# KiCad board helixloop.kicad_pcb
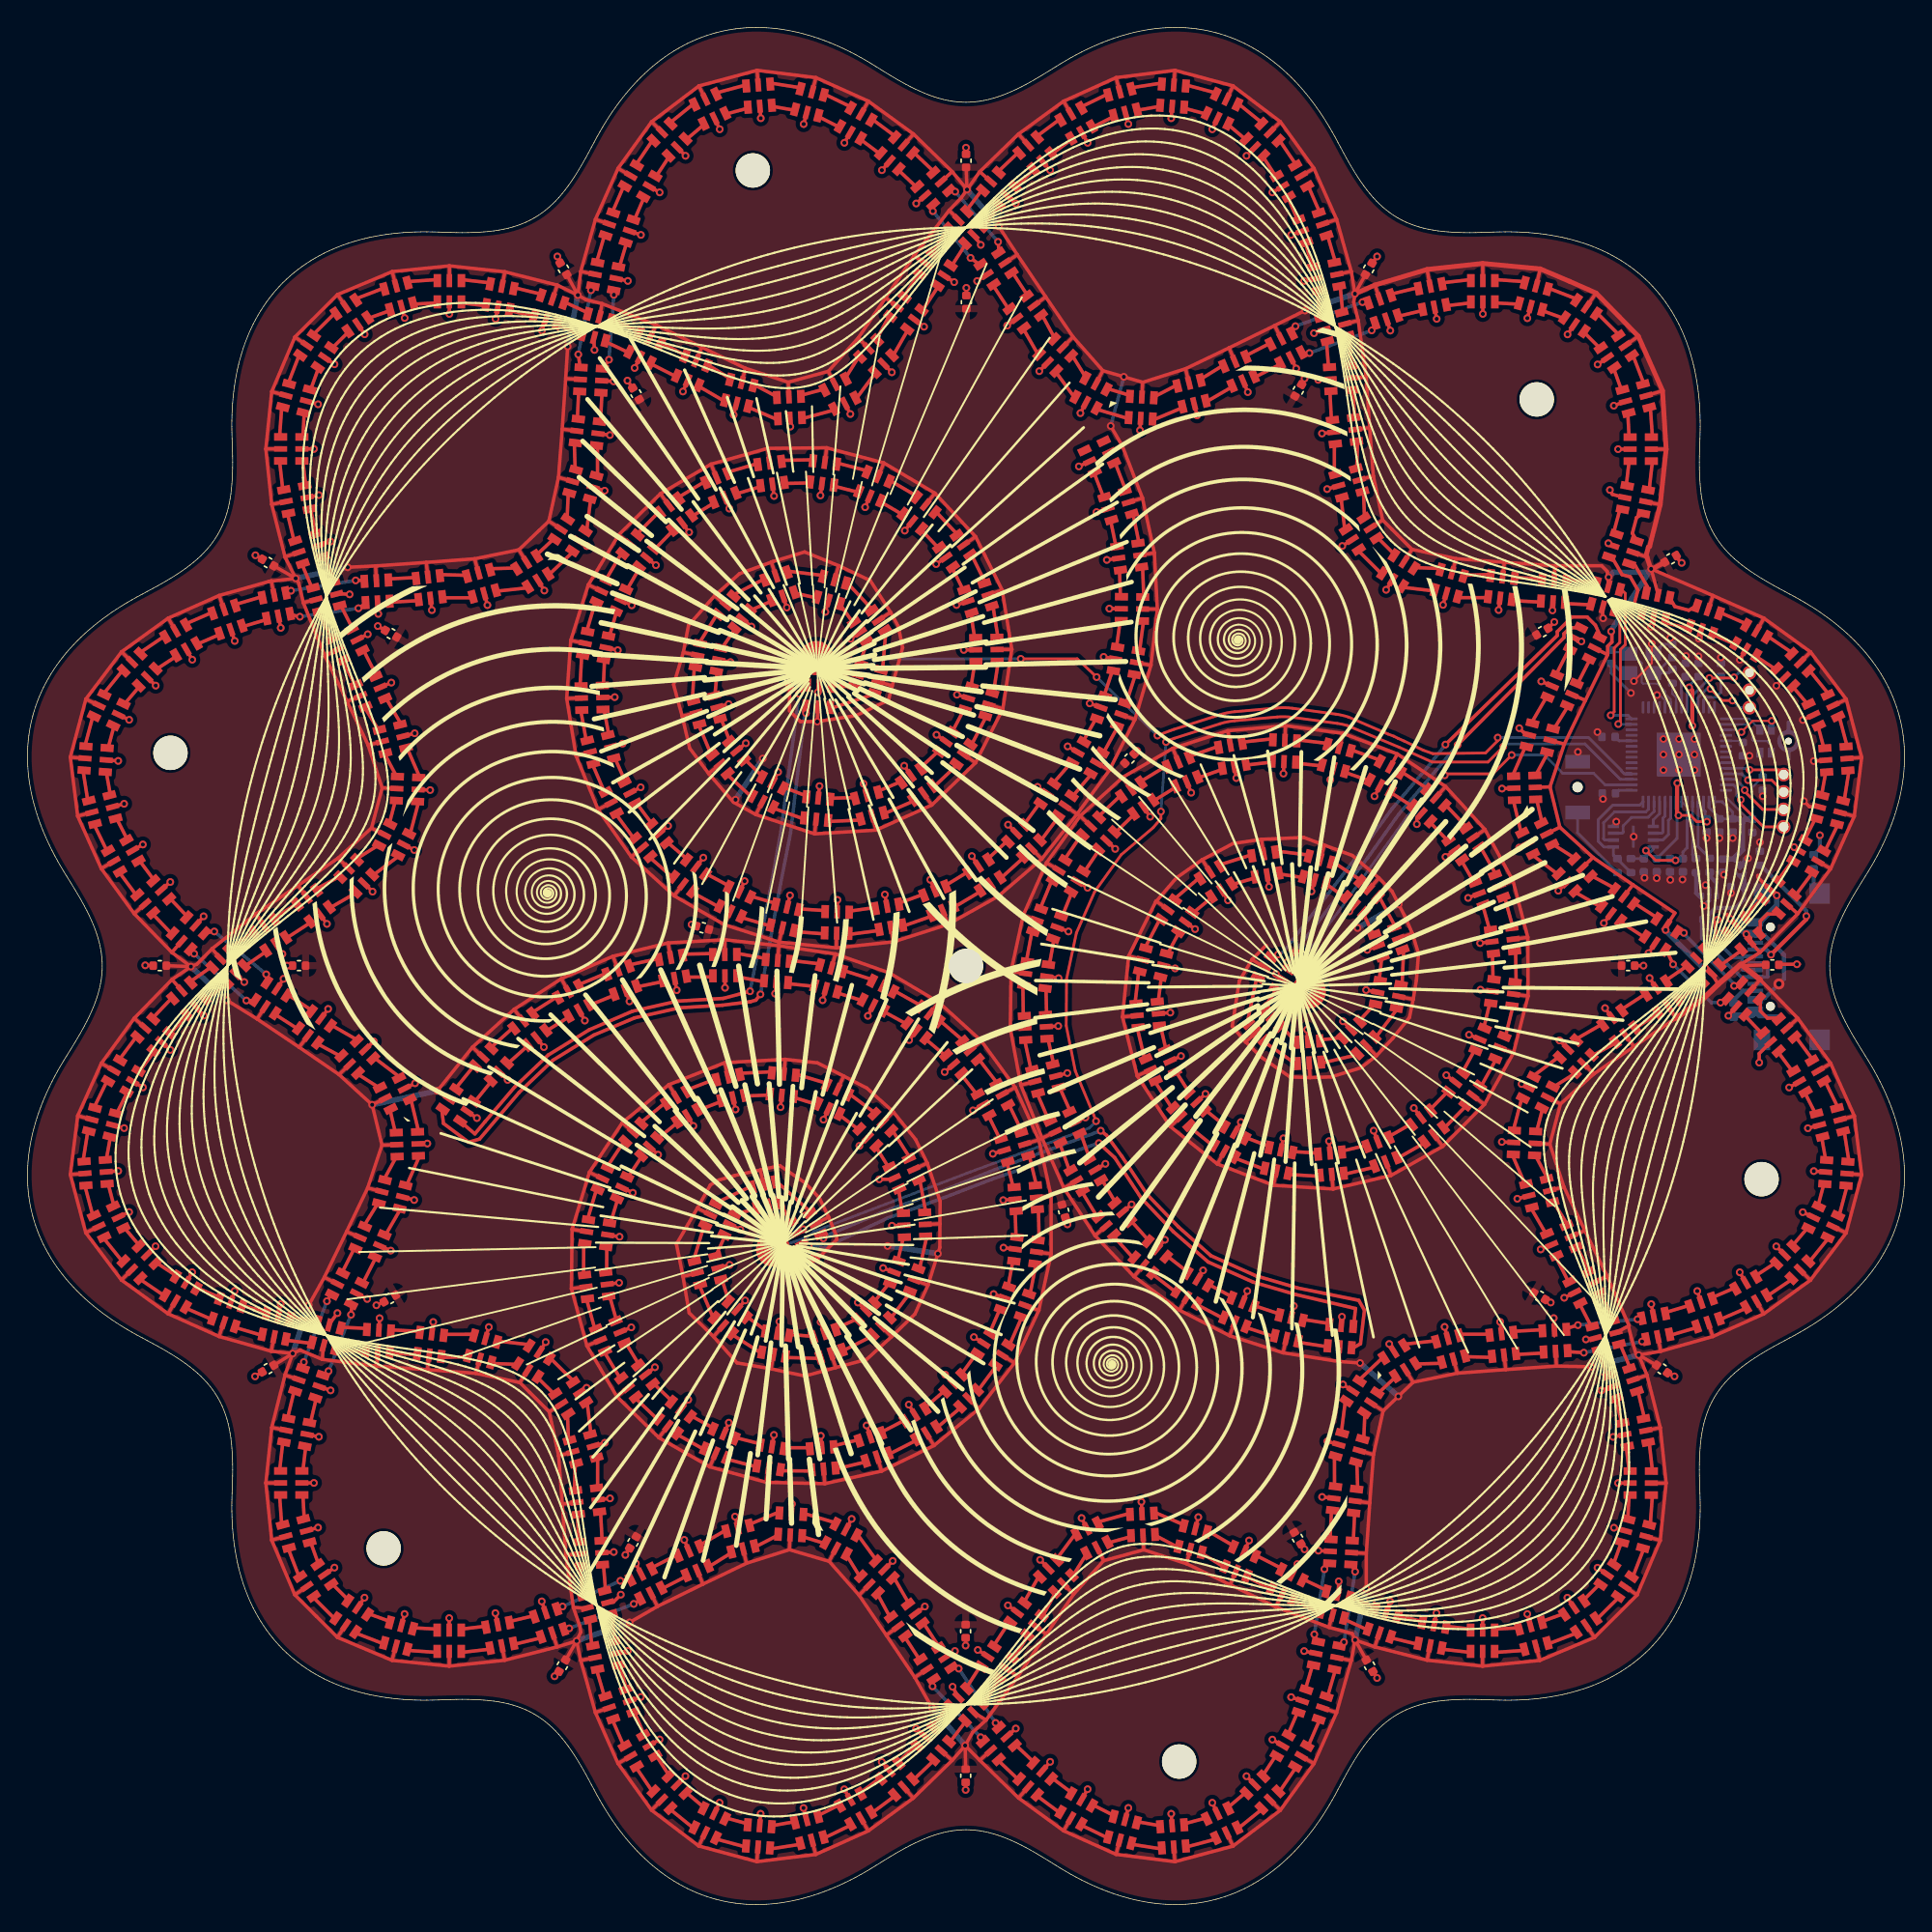
[diagram p0: board, top side]
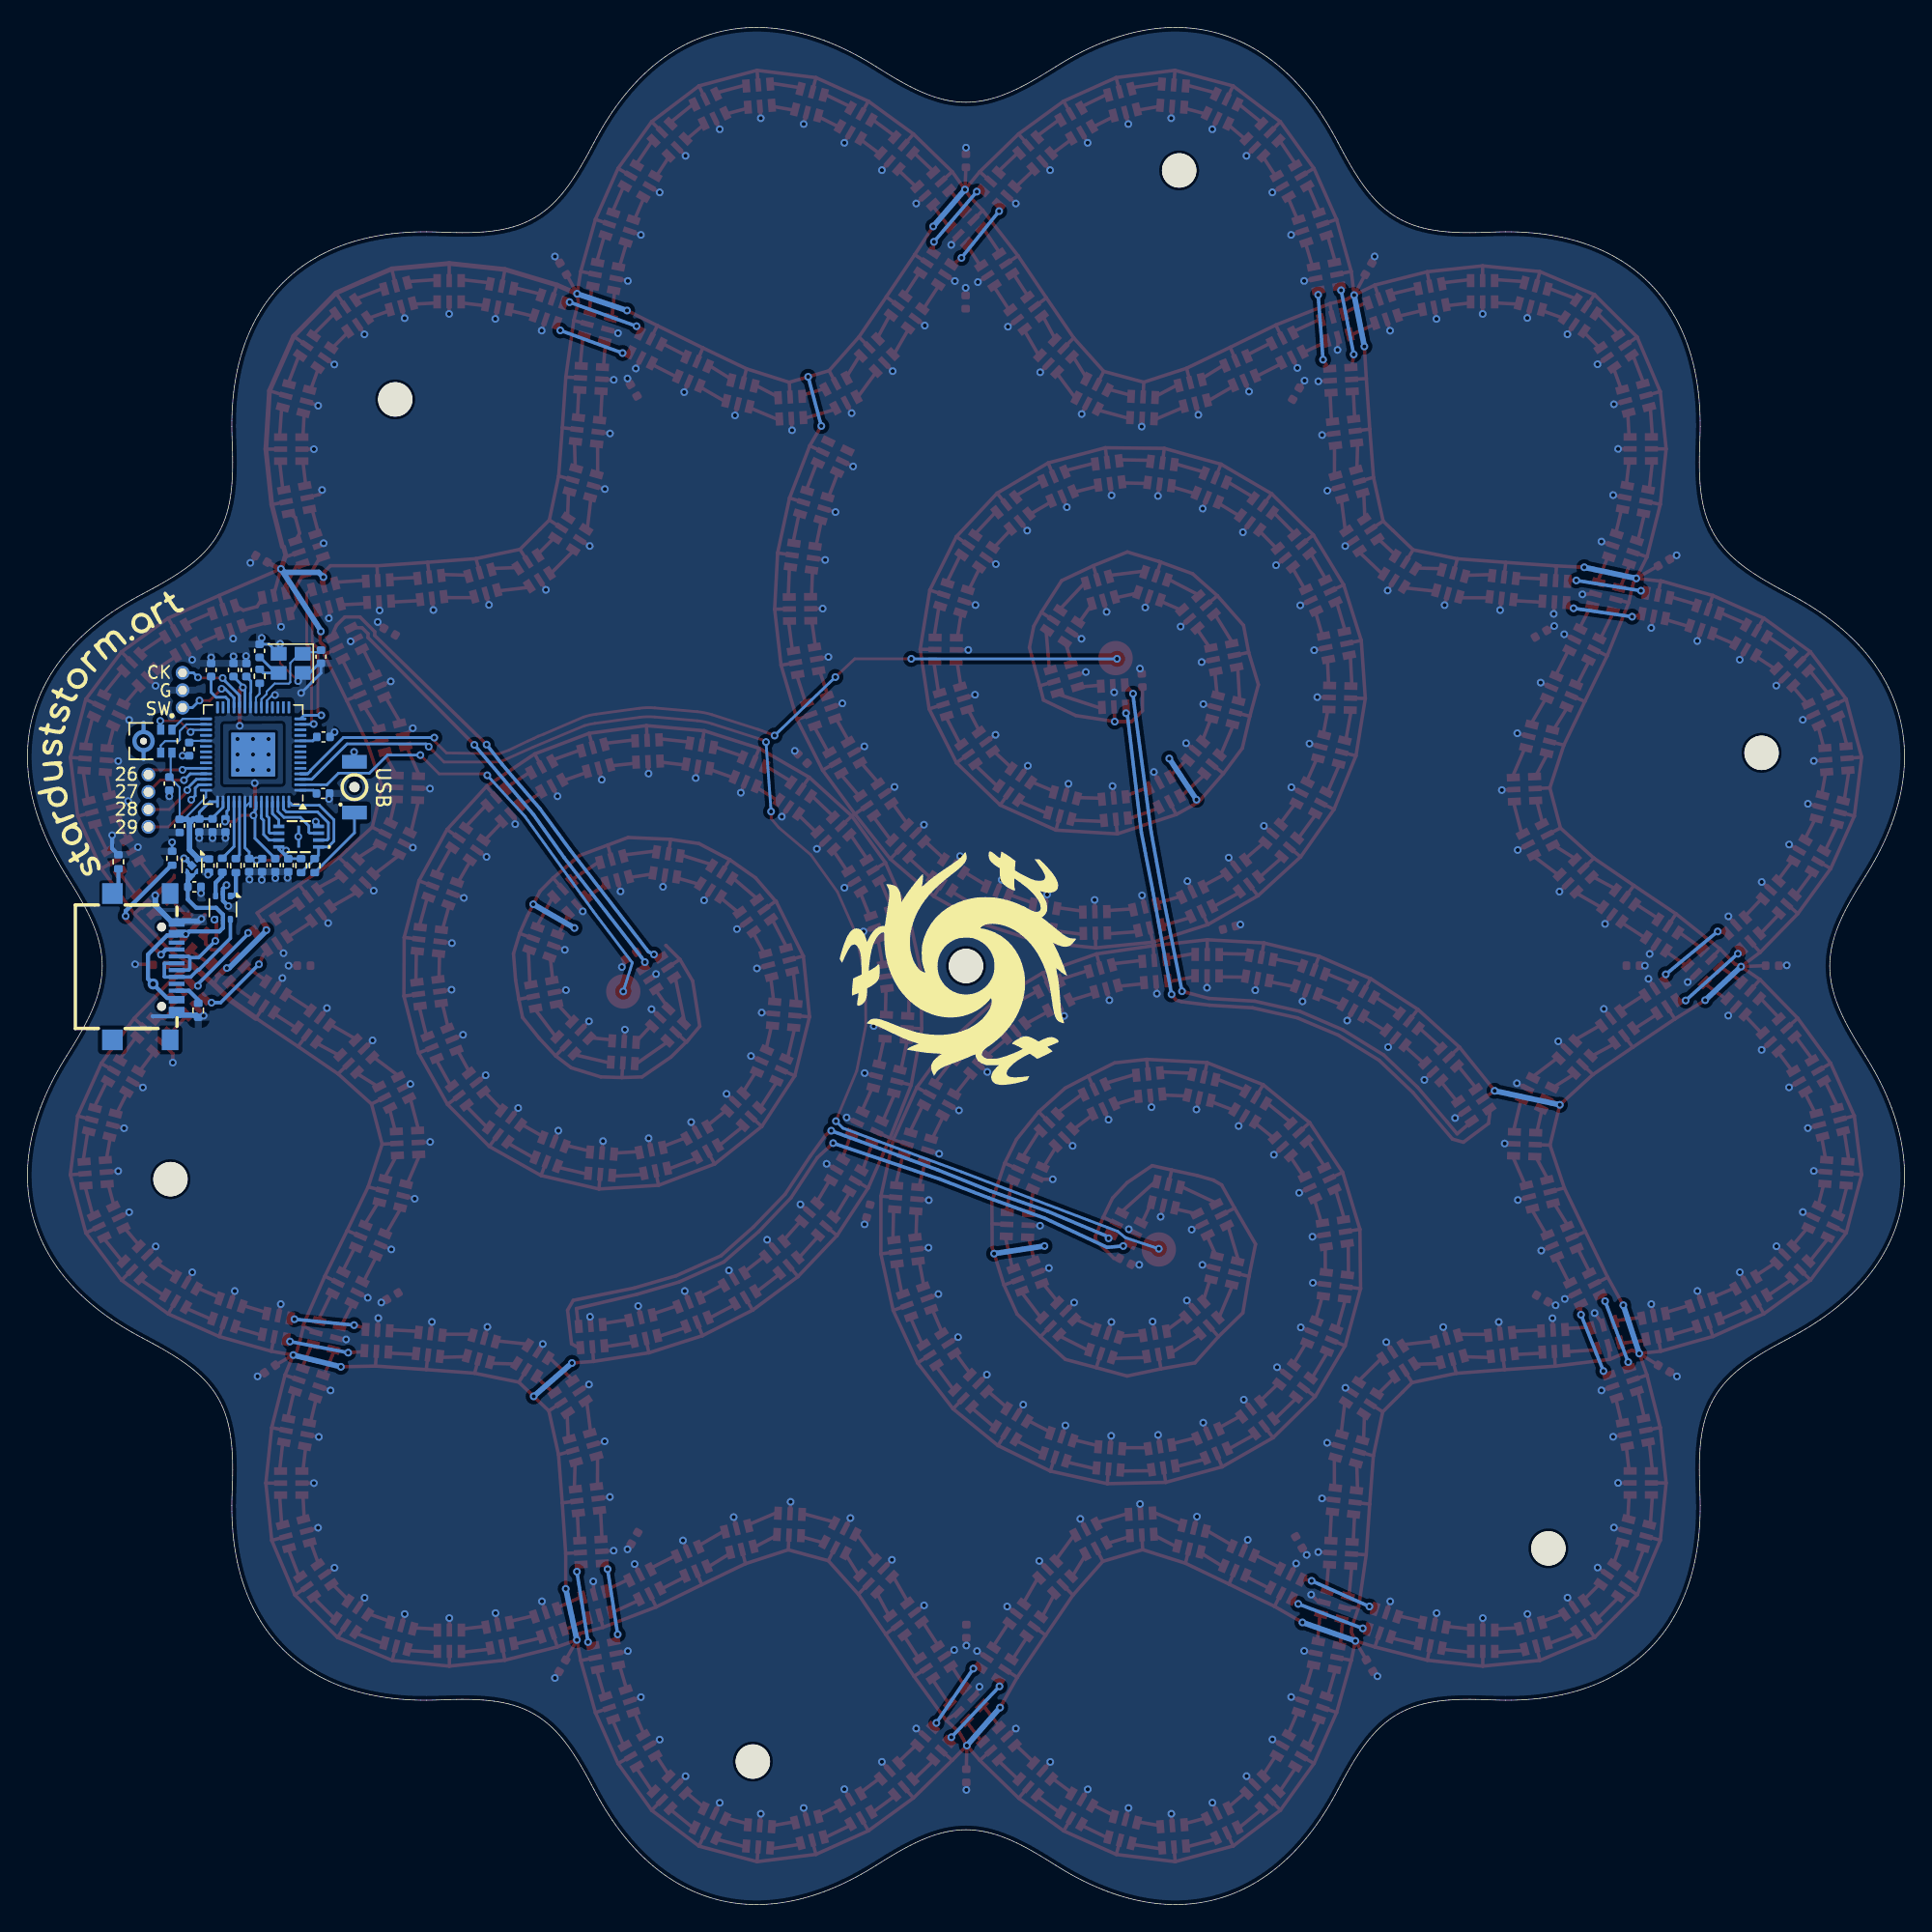
[diagram p1: board, bottom side, seen from below]

Outline 136.74 x 136.74 mm; copper layers: Top, Bottom. Coordinates in mm from the lower left corner of the outline.
Outline path: 0,83.66 0.01,83.28 0.02,82.9 0.05,82.52 0.09,82.14 0.14,81.76 0.2,81.38 0.28,80.99 0.36,80.61 0.46,80.23 0.57,79.84 0.68,79.46 0.81,79.07 0.95,78.69 1.1,78.31 1.26,77.92 1.43,77.54 1.6,77.16 1.79,76.78 1.99,76.41 2.19,76.03 2.41,75.66 2.63,75.28 2.86,74.91 3.09,74.54 3.31,74.18 3.53,73.82 3.75,73.46 3.95,73.1 4.14,72.75 4.32,72.4 4.5,72.06 4.65,71.71 4.8,71.37 4.93,71.03 5.05,70.69 5.16,70.36 5.24,70.03 5.32,69.69 5.37,69.36 5.42,69.03 5.44,68.7 5.45,68.37 5.44,68.04 5.42,67.71 5.37,67.38 5.32,67.05 5.24,66.72 5.16,66.39 5.05,66.05 4.93,65.71 4.8,65.37 4.65,65.03 4.5,64.69 4.32,64.34 4.14,63.99 3.95,63.64 3.75,63.29 3.53,62.93 3.31,62.57 3.09,62.2 2.86,61.83 2.63,61.46 2.41,61.09 2.19,60.72 1.99,60.34 1.79,59.96 1.6,59.58 1.43,59.2 1.26,58.82 1.1,58.44 0.95,58.06 0.81,57.67 0.68,57.29 0.57,56.9 0.46,56.52 0.36,56.14 0.28,55.75 0.2,55.37 0.14,54.99 0.09,54.6 0.05,54.22 0.02,53.84 0.01,53.47 0,53.09 0.01,52.71 0.03,52.34 0.06,51.97 0.1,51.6 0.15,51.24 0.22,50.87 0.3,50.51 0.38,50.16 0.49,49.8 0.6,49.45 0.72,49.1 0.86,48.76 1.01,48.42 1.17,48.08 1.34,47.75 1.52,47.42 1.71,47.1 1.91,46.78 2.13,46.46 2.35,46.15 2.59,45.85 2.84,45.55 3.09,45.25 3.36,44.97 3.63,44.68 3.92,44.4 4.21,44.13 4.51,43.86 4.82,43.6 5.15,43.34 5.47,43.09 5.81,42.84 6.15,42.6 6.51,42.37 6.87,42.14 7.23,41.91 7.6,41.7 7.98,41.49 8.37,41.28 8.75,41.07 9.13,40.87 9.5,40.67 9.86,40.46 10.21,40.26 10.56,40.05 10.89,39.84 11.21,39.62 11.52,39.41 11.82,39.18 12.1,38.96 12.37,38.72 12.63,38.48 12.88,38.24 13.1,37.99 13.32,37.73 13.52,37.46 13.71,37.19 13.88,36.91 14.04,36.62 14.18,36.32 14.31,36.02 14.43,35.7 14.53,35.38 14.62,35.04 14.7,34.7 14.76,34.35 14.82,33.99 14.86,33.62 14.89,33.24 14.92,32.86 14.94,32.46 14.94,32.06 14.95,31.65 14.94,31.24 14.93,30.82 14.92,30.39 14.91,29.95 14.89,29.52 14.89,29.08 14.89,28.65 14.9,28.22 14.92,27.8 14.94,27.38 14.98,26.96 15.03,26.54 15.08,26.13 15.14,25.73 15.21,25.33 15.29,24.93 15.38,24.54 15.48,24.15 15.59,23.77 15.71,23.4 15.84,23.03 15.98,22.66 16.12,22.31 16.28,21.96 16.44,21.62 16.62,21.28 16.8,20.95 16.99,20.63 17.2,20.32 17.41,20.01 17.63,19.71 17.86,19.42 18.1,19.14 18.35,18.87 18.6,18.6 18.87,18.35 19.14,18.1 19.42,17.86 19.71,17.63 20.01,17.41 20.32,17.2 20.63,16.99 20.95,16.8 21.28,16.62 21.62,16.44 21.96,16.28 22.31,16.12 22.66,15.98 23.03,15.84 23.4,15.71 23.77,15.59 24.15,15.48 24.54,15.38 24.93,15.29 25.33,15.21 25.73,15.14 26.13,15.08 26.54,15.03 26.96,14.98 27.38,14.94 27.8,14.92 28.22,14.9 28.65,14.89 29.08,14.89 29.52,14.89 29.95,14.91 30.39,14.92 30.82,14.93 31.24,14.94 31.65,14.95 32.06,14.94 32.46,14.94 32.86,14.92 33.24,14.89 33.62,14.86 33.99,14.82 34.35,14.76 34.7,14.7 35.04,14.62 35.38,14.53 35.7,14.43 36.02,14.31 36.32,14.18 36.62,14.04 36.91,13.88 37.19,13.71 37.46,13.52 37.73,13.32 37.99,13.1 38.24,12.88 38.48,12.63 38.72,12.37 38.96,12.1 39.18,11.82 39.41,11.52 39.62,11.21 39.84,10.89 40.05,10.56 40.26,10.21 40.46,9.86 40.67,9.5 40.87,9.13 41.07,8.75 41.28,8.37 41.49,7.98 41.7,7.6 41.91,7.23 42.14,6.87 42.37,6.51 42.6,6.15 42.84,5.81 43.09,5.47 43.34,5.15 43.6,4.82 43.86,4.51 44.13,4.21 44.4,3.92 44.68,3.63 44.97,3.36 45.25,3.09 45.55,2.84 45.85,2.59 46.15,2.35 46.46,2.13 46.78,1.91 47.1,1.71 47.42,1.52 47.75,1.34 48.08,1.17 48.42,1.01 48.76,0.86 49.1,0.72 49.45,0.6 49.8,0.49 50.16,0.38 50.51,0.3 50.87,0.22 51.24,0.15 51.6,0.1 51.97,0.06 52.34,0.03 52.71,0.01 53.09,0 53.47,0.01 53.84,0.02 54.22,0.05 54.6,0.09 54.99,0.14 55.37,0.2 55.75,0.28 56.14,0.36 56.52,0.46 56.9,0.57 57.29,0.68 57.67,0.81 58.06,0.95 58.44,1.1 58.82,1.26 59.2,1.43 59.58,1.6 59.96,1.79 60.34,1.99 60.72,2.19 61.09,2.41 61.46,2.63 61.83,2.86 62.2,3.09 62.57,3.31 62.93,3.53 63.29,3.75 63.64,3.95 63.99,4.14 64.34,4.32 64.69,4.5 65.03,4.65 65.37,4.8 65.71,4.93 66.05,5.05 66.39,5.16 66.72,5.24 67.05,5.32 67.38,5.37 67.71,5.42 68.04,5.44 68.37,5.45 68.7,5.44 69.03,5.42 69.36,5.37 69.69,5.32 70.03,5.24 70.36,5.16 70.69,5.05 71.03,4.93 71.37,4.8 71.71,4.65 72.06,4.5 72.4,4.32 72.75,4.14 73.1,3.95 73.46,3.75 73.82,3.53 74.18,3.31 74.54,3.09 74.91,2.86 75.28,2.63 75.66,2.41 76.03,2.19 76.41,1.99 76.78,1.79 77.16,1.6 77.54,1.43 77.92,1.26 78.31,1.1 78.69,0.95 79.07,0.81 79.46,0.68 79.84,0.57 80.23,0.46 80.61,0.36 80.99,0.28 81.38,0.2 81.76,0.14 82.14,0.09 82.52,0.05 82.9,0.02 83.28,0.01 83.66,0 84.03,0.01 84.4,0.03 84.77,0.06 85.14,0.1 85.51,0.15 85.87,0.22 86.23,0.3 86.59,0.38 86.94,0.49 87.3,0.6 87.64,0.72 87.99,0.86 88.33,1.01 88.66,1.17 89,1.34 89.32,1.52 89.65,1.71 89.97,1.91 90.28,2.13 90.59,2.35 90.9,2.59 91.19,2.84 91.49,3.09 91.78,3.36 92.06,3.63 92.34,3.92 92.62,4.21 92.89,4.51 93.15,4.82 93.41,5.15 93.66,5.47 93.9,5.81 94.14,6.15 94.38,6.51 94.61,6.87 94.83,7.23 95.05,7.6 95.26,7.98 95.47,8.37 95.67,8.75 95.87,9.13 96.08,9.5 96.28,9.86 96.49,10.21 96.7,10.56 96.91,10.89 97.12,11.21 97.34,11.52 97.56,11.82 97.79,12.1 98.02,12.37 98.26,12.63 98.5,12.88 98.76,13.1 99.01,13.32 99.28,13.52 99.55,13.71 99.83,13.88 100.12,14.04 100.42,14.18 100.73,14.31 101.04,14.43 101.37,14.53 101.7,14.62 102.04,14.7 102.39,14.76 102.75,14.82 103.12,14.86 103.5,14.89 103.89,14.92 104.28,14.94 104.68,14.94 105.09,14.95 105.51,14.94 105.93,14.93 106.36,14.92 106.79,14.91 107.23,14.89 107.66,14.89 108.09,14.89 108.52,14.9 108.95,14.92 109.37,14.94 109.79,14.98 110.2,15.03 110.61,15.08 111.02,15.14 111.42,15.21 111.82,15.29 112.21,15.38 112.59,15.48 112.97,15.59 113.35,15.71 113.72,15.84 114.08,15.98 114.44,16.12 114.79,16.28 115.13,16.44 115.47,16.62 115.79,16.8 116.12,16.99 116.43,17.2 116.73,17.41 117.03,17.63 117.32,17.86 117.6,18.1 117.88,18.35 118.14,18.6 118.4,18.87 118.65,19.14 118.89,19.42 119.12,19.71 119.34,20.01 119.55,20.32 119.75,20.63 119.94,20.95 120.13,21.28 120.3,21.62 120.47,21.96 120.62,22.31 120.77,22.66 120.91,23.03 121.03,23.4 121.15,23.77 121.26,24.15 121.36,24.54 121.45,24.93 121.53,25.33 121.6,25.73 121.67,26.13 121.72,26.54 121.76,26.96 121.8,27.38 121.83,27.8 121.85,28.22 121.86,28.65 121.86,29.08 121.85,29.52 121.84,29.95 121.82,30.39 121.81,30.82 121.8,31.24 121.8,31.65 121.8,32.06 121.81,32.46 121.83,32.86 121.85,33.24 121.88,33.62 121.93,33.99 121.98,34.35 122.05,34.7 122.13,35.04 122.22,35.38 122.32,35.7 122.44,36.02 122.57,36.32 122.71,36.62 122.87,36.91 123.04,37.19 123.22,37.46 123.43,37.73 123.64,37.99 123.87,38.24 124.11,38.48 124.37,38.72 124.64,38.96 124.93,39.18 125.22,39.41 125.53,39.62 125.85,39.84 126.19,40.05 126.53,40.26 126.88,40.46 127.25,40.67 127.62,40.87 128,41.07 128.38,41.28 128.76,41.49 129.14,41.7 129.51,41.91 129.88,42.14 130.24,42.37 130.59,42.6 130.93,42.84 131.27,43.09 131.6,43.34 131.92,43.6 132.23,43.86 132.53,44.13 132.83,44.4 133.11,44.68 133.39,44.97 133.65,45.25 133.91,45.55 134.16,45.85 134.39,46.15 134.62,46.46 134.83,46.78 135.03,47.1 135.23,47.42 135.41,47.75 135.58,48.08 135.74,48.42 135.89,48.76 136.02,49.1 136.15,49.45 136.26,49.8 136.36,50.16 136.45,50.51 136.53,50.87 136.59,51.24 136.65,51.6 136.69,51.97 136.72,52.34 136.74,52.71 136.74,53.09 136.74,53.47 136.72,53.84 136.69,54.22 136.65,54.6 136.6,54.99 136.54,55.37 136.47,55.75 136.38,56.14 136.29,56.52 136.18,56.9 136.06,57.29 135.93,57.67 135.79,58.06 135.65,58.44 135.49,58.82 135.32,59.2 135.14,59.58 134.95,59.96 134.76,60.34 134.55,60.72 134.34,61.09 134.12,61.46 133.88,61.83 133.66,62.2 133.43,62.57 133.21,62.93 133,63.29 132.8,63.64 132.6,63.99 132.42,64.34 132.25,64.69 132.09,65.03 131.94,65.37 131.81,65.71 131.69,66.05 131.59,66.39 131.5,66.72 131.43,67.05 131.37,67.38 131.33,67.71 131.3,68.04 131.3,68.37 131.3,68.7 131.33,69.03 131.37,69.36 131.43,69.69 131.5,70.03 131.59,70.36 131.69,70.69 131.81,71.03 131.94,71.37 132.09,71.71 132.25,72.06 132.42,72.4 132.6,72.75 132.8,73.1 133,73.46 133.21,73.82 133.43,74.18 133.66,74.54 133.88,74.91 134.12,75.28 134.34,75.66 134.55,76.03 134.76,76.41 134.95,76.78 135.14,77.16 135.32,77.54 135.49,77.92 135.65,78.31 135.79,78.69 135.93,79.07 136.06,79.46 136.18,79.84 136.29,80.23 136.38,80.61 136.47,80.99 136.54,81.38 136.6,81.76 136.65,82.14 136.69,82.52 136.72,82.9 136.74,83.28 136.74,83.66 136.74,84.03 136.72,84.4 136.69,84.77 136.65,85.14 136.59,85.51 136.53,85.87 136.45,86.23 136.36,86.59 136.26,86.94 136.15,87.3 136.02,87.64 135.89,87.99 135.74,88.33 135.58,88.66 135.41,89 135.23,89.32 135.03,89.65 134.83,89.97 134.62,90.28 134.39,90.59 134.16,90.9 133.91,91.19 133.65,91.49 133.39,91.78 133.11,92.06 132.83,92.34 132.53,92.62 132.23,92.89 131.92,93.15 131.6,93.41 131.27,93.66 130.93,93.9 130.59,94.14 130.24,94.38 129.88,94.61 129.51,94.83 129.14,95.05 128.76,95.26 128.38,95.47 128,95.67 127.62,95.87 127.25,96.08 126.88,96.28 126.53,96.49 126.19,96.7 125.85,96.91 125.53,97.12 125.22,97.34 124.93,97.56 124.64,97.79 124.37,98.02 124.11,98.26 123.87,98.5 123.64,98.76 123.43,99.01 123.22,99.28 123.04,99.55 122.87,99.83 122.71,100.12 122.57,100.42 122.44,100.73 122.32,101.04 122.22,101.37 122.13,101.7 122.05,102.04 121.98,102.39 121.93,102.75 121.88,103.12 121.85,103.5 121.83,103.89 121.81,104.28 121.8,104.68 121.8,105.09 121.8,105.51 121.81,105.93 121.82,106.36 121.84,106.79 121.85,107.23 121.86,107.66 121.86,108.09 121.85,108.52 121.83,108.95 121.8,109.37 121.76,109.79 121.72,110.2 121.67,110.61 121.6,111.02 121.53,111.42 121.45,111.82 121.36,112.21 121.26,112.59 121.15,112.97 121.03,113.35 120.91,113.72 120.77,114.08 120.62,114.44 120.47,114.79 120.3,115.13 120.13,115.47 119.94,115.79 119.75,116.12 119.55,116.43 119.34,116.73 119.12,117.03 118.89,117.32 118.65,117.6 118.4,117.88 118.14,118.14 117.88,118.4 117.6,118.65 117.32,118.89 117.03,119.12 116.73,119.34 116.43,119.55 116.12,119.75 115.79,119.94 115.47,120.13 115.13,120.3 114.79,120.47 114.44,120.62 114.08,120.77 113.72,120.91 113.35,121.03 112.97,121.15 112.59,121.26 112.21,121.36 111.82,121.45 111.42,121.53 111.02,121.6 110.61,121.67 110.2,121.72 109.79,121.76 109.37,121.8 108.95,121.83 108.52,121.85 108.09,121.86 107.66,121.86 107.23,121.85 106.79,121.84 106.36,121.82 105.93,121.81 105.51,121.8 105.09,121.8 104.68,121.8 104.28,121.81 103.89,121.83 103.5,121.85 103.12,121.88 102.75,121.93 102.39,121.98 102.04,122.05 101.7,122.13 101.37,122.22 101.04,122.32 100.73,122.44 100.42,122.57 100.12,122.71 99.83,122.87 99.55,123.04 99.28,123.22 99.01,123.43 98.76,123.64 98.5,123.87 98.26,124.11 98.02,124.37 97.79,124.64 97.56,124.93 97.34,125.22 97.12,125.53 96.91,125.85 96.7,126.19 96.49,126.53 96.28,126.88 96.08,127.25 95.87,127.62 95.67,128 95.47,128.38 95.26,128.76 95.05,129.14 94.83,129.51 94.61,129.88 94.38,130.24 94.14,130.59 93.9,130.93 93.66,131.27 93.41,131.6 93.15,131.92 92.89,132.23 92.62,132.53 92.34,132.83 92.06,133.11 91.78,133.39 91.49,133.65 91.19,133.91 90.9,134.16 90.59,134.39 90.28,134.62 89.97,134.83 89.65,135.03 89.32,135.23 89,135.41 88.66,135.58 88.33,135.74 87.99,135.89 87.64,136.02 87.3,136.15 86.94,136.26 86.59,136.36 86.23,136.45 85.87,136.53 85.51,136.59 85.14,136.65 84.77,136.69 84.4,136.72 84.03,136.74 83.66,136.74 83.28,136.74 82.9,136.72 82.52,136.69 82.14,136.65 81.76,136.6 81.38,136.54 80.99,136.47 80.61,136.38 80.23,136.29 79.84,136.18 79.46,136.06 79.07,135.93 78.69,135.79 78.31,135.65 77.92,135.49 77.54,135.32 77.16,135.14 76.78,134.95 76.41,134.76 76.03,134.55 75.66,134.34 75.28,134.12 74.91,133.88 74.54,133.66 74.18,133.43 73.82,133.21 73.46,133 73.1,132.8 72.75,132.6 72.4,132.42 72.06,132.25 71.71,132.09 71.37,131.94 71.03,131.81 70.69,131.69 70.36,131.59 70.03,131.5 69.69,131.43 69.36,131.37 69.03,131.33 68.7,131.3 68.37,131.3 68.04,131.3 67.71,131.33 67.38,131.37 67.05,131.43 66.72,131.5 66.39,131.59 66.05,131.69 65.71,131.81 65.37,131.94 65.03,132.09 64.69,132.25 64.34,132.42 63.99,132.6 63.64,132.8 63.29,133 62.93,133.21 62.57,133.43 62.2,133.66 61.83,133.88 61.46,134.12 61.09,134.34 60.72,134.55 60.34,134.76 59.96,134.95 59.58,135.14 59.2,135.32 58.82,135.49 58.44,135.65 58.06,135.79 57.67,135.93 57.29,136.06 56.9,136.18 56.52,136.29 56.14,136.38 55.75,136.47 55.37,136.54 54.99,136.6 54.6,136.65 54.22,136.69 53.84,136.72 53.47,136.74 53.09,136.74 52.71,136.74 52.34,136.72 51.97,136.69 51.6,136.65 51.24,136.59 50.87,136.53 50.51,136.45 50.16,136.36 49.8,136.26 49.45,136.15 49.1,136.02 48.76,135.89 48.42,135.74 48.08,135.58 47.75,135.41 47.42,135.23 47.1,135.03 46.78,134.83 46.46,134.62 46.15,134.39 45.85,134.16 45.55,133.91 45.25,133.65 44.97,133.39 44.68,133.11 44.4,132.83 44.13,132.53 43.86,132.23 43.6,131.92 43.34,131.6 43.09,131.27 42.84,130.93 42.6,130.59 42.37,130.24 42.14,129.88 41.91,129.51 41.7,129.14 41.49,128.76 41.28,128.38 41.07,128 40.87,127.62 40.67,127.25 40.46,126.88 40.26,126.53 40.05,126.19 39.84,125.85 39.62,125.53 39.41,125.22 39.18,124.93 38.96,124.64 38.72,124.37 38.48,124.11 38.24,123.87 37.99,123.64 37.73,123.43 37.46,123.22 37.19,123.04 36.91,122.87 36.62,122.71 36.32,122.57 36.02,122.44 35.7,122.32 35.38,122.22 35.04,122.13 34.7,122.05 34.35,121.98 33.99,121.93 33.62,121.88 33.24,121.85 32.86,121.83 32.46,121.81 32.06,121.8 31.65,121.8 31.24,121.8 30.82,121.81 30.39,121.82 29.95,121.84 29.52,121.85 29.08,121.86 28.65,121.86 28.22,121.85 27.8,121.83 27.38,121.8 26.96,121.76 26.54,121.72 26.13,121.67 25.73,121.6 25.33,121.53 24.93,121.45 24.54,121.36 24.15,121.26 23.77,121.15 23.4,121.03 23.03,120.91 22.66,120.77 22.31,120.62 21.96,120.47 21.62,120.3 21.28,120.13 20.95,119.94 20.63,119.75 20.32,119.55 20.01,119.34 19.71,119.12 19.42,118.89 19.14,118.65 18.87,118.4 18.6,118.14 18.35,117.88 18.1,117.6 17.86,117.32 17.63,117.03 17.41,116.73 17.2,116.43 16.99,116.12 16.8,115.79 16.62,115.47 16.44,115.13 16.28,114.79 16.12,114.44 15.98,114.08 15.84,113.72 15.71,113.35 15.59,112.97 15.48,112.59 15.38,112.21 15.29,111.82 15.21,111.42 15.14,111.02 15.08,110.61 15.03,110.2 14.98,109.79 14.94,109.37 14.92,108.95 14.9,108.52 14.89,108.09 14.89,107.66 14.89,107.23 14.91,106.79 14.92,106.36 14.93,105.93 14.94,105.51 14.95,105.09 14.94,104.68 14.94,104.28 14.92,103.89 14.89,103.5 14.86,103.12 14.82,102.75 14.76,102.39 14.7,102.04 14.62,101.7 14.53,101.37 14.43,101.04 14.31,100.73 14.18,100.42 14.04,100.12 13.88,99.83 13.71,99.55 13.52,99.28 13.32,99.01 13.1,98.76 12.88,98.5 12.63,98.26 12.37,98.02 12.1,97.79 11.82,97.56 11.52,97.34 11.21,97.12 10.89,96.91 10.56,96.7 10.21,96.49 9.86,96.28 9.5,96.08 9.13,95.87 8.75,95.67 8.37,95.47 7.98,95.26 7.6,95.05 7.23,94.83 6.87,94.61 6.51,94.38 6.15,94.14 5.81,93.9 5.47,93.66 5.15,93.41 4.82,93.15 4.51,92.89 4.21,92.62 3.92,92.34 3.63,92.06 3.36,91.78 3.09,91.49 2.84,91.19 2.59,90.9 2.35,90.59 2.13,90.28 1.91,89.97 1.71,89.65 1.52,89.32 1.34,89 1.17,88.66 1.01,88.33 0.86,87.99 0.72,87.64 0.6,87.3 0.49,86.94 0.38,86.59 0.3,86.23 0.22,85.87 0.15,85.51 0.1,85.14 0.06,84.77 0.03,84.4 0.01,84.03 0,83.66
Stack: Top 0.035mm / dielectric 1.51mm FR4 er 4.5 / Bottom 0.035mm

## Placement (name value [footprint] x y rotation side)
C1  10uF  [C_0402_1005Metric]  97.71 119.16 240 top
C2  10uF  [C_0402_1005Metric]  68.38 127.04 270 top
C3  10uF  [C_0402_1005Metric]  39.05 119.16 300 top
C4  10uF  [C_0402_1005Metric]  17.53 97.76 330 top
C5  10uF  [C_0402_1005Metric]  9.64 68.4 0 top
C6  10uF  [C_0402_1005Metric]  17.52 39.04 30 top
C7  10uF  [C_0402_1005Metric]  38.97 17.4 60 top
C8  10uF  [C_0402_1005Metric]  68.35 9.38 90 top
C9  10uF  [C_0402_1005Metric]  97.77 17.39 120 top
C10  10uF  [C_0402_1005Metric]  119.08 39.02 145 top
C11  10uF  [C_0402_1005Metric]  127.11 68.46 180 top
C12  10uF  [C_0402_1005Metric]  119.7 98.04 210 top
C13  10uF  [C_0402_1005Metric]  56.76 46.86 27 top
C14  10uF  [C_0402_1005Metric]  92.78 69.11 147 top
C15  10uF  [C_0402_1005Metric]  55.55 89.18 267 top
C16  100nF  [C_0402_1005Metric]  121.74 89.94 90 bottom
C17  100nF  [C_0402_1005Metric]  118.69 75.71 270 bottom
C18  100nF  [C_0402_1005Metric]  115.21 80.95 180 bottom
C19  100nF  [C_0402_1005Metric]  120.8 89.94 90 bottom
C20  100nF  [C_0402_1005Metric]  119.65 75.71 270 bottom
C21  100nF  [C_0402_1005Metric]  125.66 78.58 270 bottom
C22  100nF  [C_0402_1005Metric]  124.96 84.17 270 bottom
C23  100nF  [C_0402_1005Metric]  123.36 89.94 90 bottom
C24  100nF  [C_0402_1005Metric]  115.18 85.06 180 bottom
C25  100nF  [C_0402_1005Metric]  124.23 78.61 270 bottom
C26  100nF  [C_0402_1005Metric]  120.59 75.71 270 bottom
C27  1uF  [C_0402_1005Metric]  122.32 78.61 270 bottom
C28  1uF  [C_0402_1005Metric]  123.26 78.61 270 bottom
C29  10uF  [C_0402_1005Metric]  68.35 19.91 90 top
C30  12pF  [C_0402_1005Metric]  115.36 90.9 270 bottom
C31  12pF  [C_0402_1005Metric]  119.83 91.33 90 bottom
C32  100nF  [C_0402_1005Metric]  126.41 81.66 270 bottom
C33  1uF  [C_0402_1005Metric]  124.58 74.14 180 bottom
C34  1uF  [C_0402_1005Metric]  123.52 75.69 270 bottom
C35  100nF  [C_0402_1005Metric]  117.75 75.71 270 bottom
C36  10uF  [C_0402_1005Metric]  44.33 110.06 300 top
C37  10uF  [C_0402_1005Metric]  68.4 116.74 270 top
C38  10uF  [C_0402_1005Metric]  75.49 50.52 105 top
C39  10uF  [C_0402_1005Metric]  110.36 92.73 210 top
C40  10uF  [C_0402_1005Metric]  92.58 110.31 240 top
C41  10uF  [C_0402_1005Metric]  26.4 44.15 30 top
C42  10uF  [C_0402_1005Metric]  19.78 68.4 0 top
C43  10uF  [C_0402_1005Metric]  110.16 44.32 150 top
C44  10uF  [C_0402_1005Metric]  49.19 71.16 345 top
C45  10uF  [C_0402_1005Metric]  80.28 83.49 225 top
C46  10uF  [C_0402_1005Metric]  116.61 68.4 180 top
C47  10uF  [C_0402_1005Metric]  44.12 26.39 60 top
C48  10uF  [C_0402_1005Metric]  26.49 92.58 330 top
C49  10uF  [C_0402_1005Metric]  92.53 26.69 120 top
D1  SK9822-EC20  [LED-SK9822-EC20]  114.96 95.27 75 top
D2  SK9822-EC20  [LED-SK9822-EC20]  111.18 95.68 86.7 top
D3  SK9822-EC20  [LED-SK9822-EC20]  107.37 95.94 83.1 top
D4  SK9822-EC20  [LED-SK9822-EC20]  103.57 96.27 74.2 top
D5  SK9822-EC20  [LED-SK9822-EC20]  99.87 97.17 57.3 top
D6  SK9822-EC20  [LED-SK9822-EC20]  97.17 99.86 32.7 top
D7  SK9822-EC20  [LED-SK9822-EC20]  96.27 103.57 15.8 top
D8  SK9822-EC20  [LED-SK9822-EC20]  95.94 107.37 6.9 top
D9  SK9822-EC20  [LED-SK9822-EC20]  95.68 111.17 3.3 top
D10  SK9822-EC20  [LED-SK9822-EC20]  95.22 114.94 15 top
D11  SK9822-EC20  [LED-SK9822-EC20]  94.62 118.61 11.4 top
D12  SK9822-EC20  [LED-SK9822-EC20]  93.62 122.17 18.8 top
D13  SK9822-EC20  [LED-SK9822-EC20]  92.12 125.55 30 top
D14  SK9822-EC20  [LED-SK9822-EC20]  89.97 128.57 45.2 top
D15  SK9822-EC20  [LED-SK9822-EC20]  87.03 130.82 64.4 top
D16  SK9822-EC20  [LED-SK9822-EC20]  83.45 131.78 85.5 top
D17  SK9822-EC20  [LED-SK9822-EC20]  79.78 131.3 104.8 top
D18  SK9822-EC20  [LED-SK9822-EC20]  76.41 129.77 120 top
D19  SK9822-EC20  [LED-SK9822-EC20]  73.42 127.59 131.1 top
D20  SK9822-EC20  [LED-SK9822-EC20]  70.76 125.01 138.6 top
D21  SK9822-EC20  [LED-SK9822-EC20]  68.37 122.18 135 top
D22  SK9822-EC20  [LED-SK9822-EC20]  66.13 119.1 146.7 top
D23  SK9822-EC20  [LED-SK9822-EC20]  64 115.94 143.1 top
D24  SK9822-EC20  [LED-SK9822-EC20]  61.82 112.81 134.2 top
D25  SK9822-EC20  [LED-SK9822-EC20]  59.19 110.05 117.4 top
D26  SK9822-EC20  [LED-SK9822-EC20]  55.51 109.06 92.7 top
D27  SK9822-EC20  [LED-SK9822-EC20]  51.85 110.12 75.8 top
D28  SK9822-EC20  [LED-SK9822-EC20]  48.4 111.74 66.9 top
D29  SK9822-EC20  [LED-SK9822-EC20]  44.97 113.41 63.3 top
D30  SK9822-EC20  [LED-SK9822-EC20]  41.47 114.9 75 top
D31  SK9822-EC20  [LED-SK9822-EC20]  38.01 116.22 71.3 top
D32  SK9822-EC20  [LED-SK9822-EC20]  34.42 117.13 78.8 top
D33  SK9822-EC20  [LED-SK9822-EC20]  30.74 117.53 89.9 top
D34  SK9822-EC20  [LED-SK9822-EC20]  27.05 117.17 105.1 top
D35  SK9822-EC20  [LED-SK9822-EC20]  23.63 115.76 124.3 top
D36  SK9822-EC20  [LED-SK9822-EC20]  21.01 113.14 145.5 top
D37  SK9822-EC20  [LED-SK9822-EC20]  19.58 109.73 164.7 top
D38  SK9822-EC20  [LED-SK9822-EC20]  19.22 106.04 179.9 top
D39  SK9822-EC20  [LED-SK9822-EC20]  19.61 102.36 191.1 top
D40  SK9822-EC20  [LED-SK9822-EC20]  20.52 98.77 198.6 top
D41  SK9822-EC20  [LED-SK9822-EC20]  21.77 95.28 195 top
D42  SK9822-EC20  [LED-SK9822-EC20]  23.32 91.8 206.7 top
D43  SK9822-EC20  [LED-SK9822-EC20]  24.99 88.37 203.1 top
D44  SK9822-EC20  [LED-SK9822-EC20]  26.61 84.92 194.2 top
D45  SK9822-EC20  [LED-SK9822-EC20]  27.69 81.26 177.4 top
D46  SK9822-EC20  [LED-SK9822-EC20]  26.71 77.58 152.8 top
D47  SK9822-EC20  [LED-SK9822-EC20]  23.96 74.94 135.9 top
D48  SK9822-EC20  [LED-SK9822-EC20]  20.83 72.76 126.9 top
D49  SK9822-EC20  [LED-SK9822-EC20]  17.67 70.63 123.3 top
D50  SK9822-EC20  [LED-SK9822-EC20]  14.63 68.34 135 top
D51  SK9822-EC20  [LED-SK9822-EC20]  11.75 66 131.3 top
D52  SK9822-EC20  [LED-SK9822-EC20]  9.17 63.35 138.8 top
D53  SK9822-EC20  [LED-SK9822-EC20]  6.99 60.36 149.9 top
D54  SK9822-EC20  [LED-SK9822-EC20]  5.45 56.99 165.1 top
D55  SK9822-EC20  [LED-SK9822-EC20]  4.97 53.32 184.3 top
D56  SK9822-EC20  [LED-SK9822-EC20]  5.92 49.74 205.5 top
D57  SK9822-EC20  [LED-SK9822-EC20]  8.16 46.79 224.7 top
D58  SK9822-EC20  [LED-SK9822-EC20]  11.17 44.64 239.9 top
D59  SK9822-EC20  [LED-SK9822-EC20]  14.56 43.14 251.1 top
D60  SK9822-EC20  [LED-SK9822-EC20]  18.12 42.12 258.6 top
D61  SK9822-EC20  [LED-SK9822-EC20]  21.77 41.47 255 top
D62  SK9822-EC20  [LED-SK9822-EC20]  25.56 41.07 266.7 top
D63  SK9822-EC20  [LED-SK9822-EC20]  29.36 40.8 263.1 top
D64  SK9822-EC20  [LED-SK9822-EC20]  33.16 40.48 254.2 top
D65  SK9822-EC20  [LED-SK9822-EC20]  36.87 39.58 237.4 top
D66  SK9822-EC20  [LED-SK9822-EC20]  39.57 36.9 212.8 top
D67  SK9822-EC20  [LED-SK9822-EC20]  40.48 33.19 195.9 top
D68  SK9822-EC20  [LED-SK9822-EC20]  40.8 29.39 186.9 top
D69  SK9822-EC20  [LED-SK9822-EC20]  41.06 25.59 183.3 top
D70  SK9822-EC20  [LED-SK9822-EC20]  41.53 21.81 195 top
D71  SK9822-EC20  [LED-SK9822-EC20]  42.12 18.15 191.3 top
D72  SK9822-EC20  [LED-SK9822-EC20]  43.12 14.59 198.8 top
D73  SK9822-EC20  [LED-SK9822-EC20]  44.62 11.2 209.9 top
D74  SK9822-EC20  [LED-SK9822-EC20]  46.77 8.19 225.1 top
D75  SK9822-EC20  [LED-SK9822-EC20]  49.71 5.93 244.3 top
D76  SK9822-EC20  [LED-SK9822-EC20]  53.28 4.97 265.5 top
D77  SK9822-EC20  [LED-SK9822-EC20]  56.95 5.44 284.7 top
D78  SK9822-EC20  [LED-SK9822-EC20]  60.33 6.97 299.9 top
D79  SK9822-EC20  [LED-SK9822-EC20]  63.32 9.15 311.1 top
D80  SK9822-EC20  [LED-SK9822-EC20]  65.98 11.73 318.6 top
D81  SK9822-EC20  [LED-SK9822-EC20]  68.37 14.57 315 top
D82  SK9822-EC20  [LED-SK9822-EC20]  70.61 17.64 326.7 top
D83  SK9822-EC20  [LED-SK9822-EC20]  72.74 20.8 323.1 top
D84  SK9822-EC20  [LED-SK9822-EC20]  74.92 23.93 314.2 top
D85  SK9822-EC20  [LED-SK9822-EC20]  77.55 26.69 297.4 top
D86  SK9822-EC20  [LED-SK9822-EC20]  81.23 27.69 272.8 top
D87  SK9822-EC20  [LED-SK9822-EC20]  84.89 26.62 255.9 top
D88  SK9822-EC20  [LED-SK9822-EC20]  88.35 25 246.9 top
D89  SK9822-EC20  [LED-SK9822-EC20]  91.77 23.33 243.3 top
D90  SK9822-EC20  [LED-SK9822-EC20]  95.27 21.84 255 top
D91  SK9822-EC20  [LED-SK9822-EC20]  98.74 20.52 251.3 top
D92  SK9822-EC20  [LED-SK9822-EC20]  102.33 19.62 258.8 top
D93  SK9822-EC20  [LED-SK9822-EC20]  106.01 19.22 269.9 top
D94  SK9822-EC20  [LED-SK9822-EC20]  109.69 19.57 285.1 top
D95  SK9822-EC20  [LED-SK9822-EC20]  113.11 20.99 304.3 top
D96  SK9822-EC20  [LED-SK9822-EC20]  115.74 23.6 325.5 top
D97  SK9822-EC20  [LED-SK9822-EC20]  117.17 27.02 344.7 top
D98  SK9822-EC20  [LED-SK9822-EC20]  117.53 30.7 359.9 top
D99  SK9822-EC20  [LED-SK9822-EC20]  117.14 34.38 11.1 top
D100  SK9822-EC20  [LED-SK9822-EC20]  116.23 37.98 18.6 top
D101  SK9822-EC20  [LED-SK9822-EC20]  114.97 41.47 15 top
D102  SK9822-EC20  [LED-SK9822-EC20]  113.43 44.95 26.7 top
D103  SK9822-EC20  [LED-SK9822-EC20]  111.75 48.38 23.1 top
D104  SK9822-EC20  [LED-SK9822-EC20]  110.13 51.82 14.2 top
D105  SK9822-EC20  [LED-SK9822-EC20]  109.06 55.48 357.4 top
D106  SK9822-EC20  [LED-SK9822-EC20]  110.03 59.17 332.8 top
D107  SK9822-EC20  [LED-SK9822-EC20]  112.79 61.8 315.9 top
D108  SK9822-EC20  [LED-SK9822-EC20]  115.92 63.99 306.9 top
D109  SK9822-EC20  [LED-SK9822-EC20]  119.08 66.12 303.3 top
D110  SK9822-EC20  [LED-SK9822-EC20]  122.12 68.4 315 top
D111  SK9822-EC20  [LED-SK9822-EC20]  124.99 70.75 311.3 top
D112  SK9822-EC20  [LED-SK9822-EC20]  127.57 73.4 318.8 top
D113  SK9822-EC20  [LED-SK9822-EC20]  129.76 76.39 329.9 top
D114  SK9822-EC20  [LED-SK9822-EC20]  131.3 79.76 345.1 top
D115  SK9822-EC20  [LED-SK9822-EC20]  131.78 83.43 4.3 top
D116  SK9822-EC20  [LED-SK9822-EC20]  130.83 87.01 25.5 top
D117  SK9822-EC20  [LED-SK9822-EC20]  128.58 89.95 44.7 top
D118  SK9822-EC20  [LED-SK9822-EC20]  125.57 92.11 59.9 top
D119  SK9822-EC20  [LED-SK9822-EC20]  122.19 93.61 71.1 top
D120  SK9822-EC20  [LED-SK9822-EC20]  118.62 94.62 78.6 top
D121  SK9822-EC20  [LED-SK9822-EC20]  116.23 98.76 341.4 top
D122  SK9822-EC20  [LED-SK9822-EC20]  117.13 102.34 348.8 top
D123  SK9822-EC20  [LED-SK9822-EC20]  117.53 106.03 360 top
D124  SK9822-EC20  [LED-SK9822-EC20]  117.17 109.71 15.2 top
D125  SK9822-EC20  [LED-SK9822-EC20]  115.75 113.13 34.4 top
D126  SK9822-EC20  [LED-SK9822-EC20]  113.13 115.75 55.6 top
D127  SK9822-EC20  [LED-SK9822-EC20]  109.71 117.17 74.8 top
D128  SK9822-EC20  [LED-SK9822-EC20]  106.03 117.53 90 top
D129  SK9822-EC20  [LED-SK9822-EC20]  102.34 117.13 101.2 top
D130  SK9822-EC20  [LED-SK9822-EC20]  98.76 116.23 108.6 top
D131  SK9822-EC20  [LED-SK9822-EC20]  91.69 113.37 116.7 top
D132  SK9822-EC20  [LED-SK9822-EC20]  88.26 111.7 112.9 top
D133  SK9822-EC20  [LED-SK9822-EC20]  84.81 110.09 103.9 top
D134  SK9822-EC20  [LED-SK9822-EC20]  81.14 109.05 86.7 top
D135  SK9822-EC20  [LED-SK9822-EC20]  77.48 110.11 62.1 top
D136  SK9822-EC20  [LED-SK9822-EC20]  74.87 112.88 45.5 top
D137  SK9822-EC20  [LED-SK9822-EC20]  72.69 116.02 36.7 top
D138  SK9822-EC20  [LED-SK9822-EC20]  70.56 119.18 33.2 top
D139  SK9822-EC20  [LED-SK9822-EC20]  65.98 125.01 41.4 top
D140  SK9822-EC20  [LED-SK9822-EC20]  63.33 127.59 48.9 top
D141  SK9822-EC20  [LED-SK9822-EC20]  60.34 129.77 60 top
D142  SK9822-EC20  [LED-SK9822-EC20]  56.97 131.3 75.2 top
D143  SK9822-EC20  [LED-SK9822-EC20]  53.3 131.78 94.5 top
D144  SK9822-EC20  [LED-SK9822-EC20]  49.72 130.82 115.6 top
D145  SK9822-EC20  [LED-SK9822-EC20]  46.78 128.57 134.8 top
D146  SK9822-EC20  [LED-SK9822-EC20]  44.63 125.55 150 top
D147  SK9822-EC20  [LED-SK9822-EC20]  43.13 122.17 161.2 top
D148  SK9822-EC20  [LED-SK9822-EC20]  42.12 118.61 168.6 top
D149  SK9822-EC20  [LED-SK9822-EC20]  41.06 111.06 176.7 top
D150  SK9822-EC20  [LED-SK9822-EC20]  40.79 107.25 172.9 top
D151  SK9822-EC20  [LED-SK9822-EC20]  40.46 103.46 163.8 top
D152  SK9822-EC20  [LED-SK9822-EC20]  39.53 99.76 146.7 top
D153  SK9822-EC20  [LED-SK9822-EC20]  36.78 97.12 122.1 top
D154  SK9822-EC20  [LED-SK9822-EC20]  33.07 96.25 105.5 top
D155  SK9822-EC20  [LED-SK9822-EC20]  29.27 95.94 96.7 top
D156  SK9822-EC20  [LED-SK9822-EC20]  25.46 95.67 93.2 top
D157  SK9822-EC20  [LED-SK9822-EC20]  18.13 94.62 101.4 top
D158  SK9822-EC20  [LED-SK9822-EC20]  14.57 93.61 108.9 top
D159  SK9822-EC20  [LED-SK9822-EC20]  11.18 92.11 120 top
D160  SK9822-EC20  [LED-SK9822-EC20]  8.17 89.96 135.2 top
D161  SK9822-EC20  [LED-SK9822-EC20]  5.92 87.02 154.5 top
D162  SK9822-EC20  [LED-SK9822-EC20]  4.97 83.44 175.6 top
D163  SK9822-EC20  [LED-SK9822-EC20]  5.45 79.77 194.8 top
D164  SK9822-EC20  [LED-SK9822-EC20]  6.98 76.4 210 top
D165  SK9822-EC20  [LED-SK9822-EC20]  9.16 73.41 221.2 top
D166  SK9822-EC20  [LED-SK9822-EC20]  11.74 70.75 228.6 top
D167  SK9822-EC20  [LED-SK9822-EC20]  17.75 66.06 236.7 top
D168  SK9822-EC20  [LED-SK9822-EC20]  20.91 63.93 232.9 top
D169  SK9822-EC20  [LED-SK9822-EC20]  24.03 61.75 223.8 top
D170  SK9822-EC20  [LED-SK9822-EC20]  26.77 59.09 206.7 top
D171  SK9822-EC20  [LED-SK9822-EC20]  27.68 55.39 182.1 top
D172  SK9822-EC20  [LED-SK9822-EC20]  26.57 51.74 165.5 top
D173  SK9822-EC20  [LED-SK9822-EC20]  24.95 48.29 156.7 top
D174  SK9822-EC20  [LED-SK9822-EC20]  23.28 44.86 153.2 top
D175  SK9822-EC20  [LED-SK9822-EC20]  20.52 37.98 161.4 top
D176  SK9822-EC20  [LED-SK9822-EC20]  19.61 34.4 168.9 top
D177  SK9822-EC20  [LED-SK9822-EC20]  19.22 30.71 180 top
D178  SK9822-EC20  [LED-SK9822-EC20]  19.58 27.03 195.2 top
D179  SK9822-EC20  [LED-SK9822-EC20]  21 23.61 214.5 top
D180  SK9822-EC20  [LED-SK9822-EC20]  23.62 21 235.6 top
D181  SK9822-EC20  [LED-SK9822-EC20]  27.04 19.57 254.8 top
D182  SK9822-EC20  [LED-SK9822-EC20]  30.73 19.22 270 top
D183  SK9822-EC20  [LED-SK9822-EC20]  34.41 19.61 281.2 top
D184  SK9822-EC20  [LED-SK9822-EC20]  38 20.52 288.6 top
D185  SK9822-EC20  [LED-SK9822-EC20]  45.06 23.37 296.7 top
D186  SK9822-EC20  [LED-SK9822-EC20]  48.49 25.05 292.9 top
D187  SK9822-EC20  [LED-SK9822-EC20]  51.94 26.66 283.8 top
D188  SK9822-EC20  [LED-SK9822-EC20]  55.61 27.7 266.7 top
D189  SK9822-EC20  [LED-SK9822-EC20]  59.27 26.64 242.1 top
D190  SK9822-EC20  [LED-SK9822-EC20]  61.88 23.86 225.5 top
D191  SK9822-EC20  [LED-SK9822-EC20]  64.05 20.73 216.7 top
D192  SK9822-EC20  [LED-SK9822-EC20]  66.19 17.56 213.2 top
D193  SK9822-EC20  [LED-SK9822-EC20]  70.76 11.73 221.4 top
D194  SK9822-EC20  [LED-SK9822-EC20]  73.42 9.16 228.9 top
D195  SK9822-EC20  [LED-SK9822-EC20]  76.41 6.97 240 top
D196  SK9822-EC20  [LED-SK9822-EC20]  79.78 5.44 255.2 top
D197  SK9822-EC20  [LED-SK9822-EC20]  83.45 4.97 274.5 top
D198  SK9822-EC20  [LED-SK9822-EC20]  87.03 5.93 295.6 top
D199  SK9822-EC20  [LED-SK9822-EC20]  89.97 8.18 314.8 top
D200  SK9822-EC20  [LED-SK9822-EC20]  92.12 11.19 330 top
D201  SK9822-EC20  [LED-SK9822-EC20]  93.62 14.58 341.2 top
D202  SK9822-EC20  [LED-SK9822-EC20]  94.62 18.14 348.6 top
D203  SK9822-EC20  [LED-SK9822-EC20]  95.69 25.69 356.7 top
D204  SK9822-EC20  [LED-SK9822-EC20]  95.95 29.49 352.9 top
D205  SK9822-EC20  [LED-SK9822-EC20]  96.28 33.29 343.8 top
D206  SK9822-EC20  [LED-SK9822-EC20]  97.21 36.98 326.7 top
D207  SK9822-EC20  [LED-SK9822-EC20]  99.97 39.62 302.1 top
D208  SK9822-EC20  [LED-SK9822-EC20]  103.68 40.49 285.5 top
D209  SK9822-EC20  [LED-SK9822-EC20]  107.48 40.81 276.7 top
D210  SK9822-EC20  [LED-SK9822-EC20]  111.28 41.07 273.2 top
D211  SK9822-EC20  [LED-SK9822-EC20]  118.62 42.12 281.4 top
D212  SK9822-EC20  [LED-SK9822-EC20]  122.18 43.13 288.9 top
D213  SK9822-EC20  [LED-SK9822-EC20]  125.56 44.63 300 top
D214  SK9822-EC20  [LED-SK9822-EC20]  128.57 46.78 315.2 top
D215  SK9822-EC20  [LED-SK9822-EC20]  130.82 49.73 334.5 top
D216  SK9822-EC20  [LED-SK9822-EC20]  131.78 53.3 355.6 top
D217  SK9822-EC20  [LED-SK9822-EC20]  131.3 56.98 14.8 top
D218  SK9822-EC20  [LED-SK9822-EC20]  129.77 60.35 30 top
D219  SK9822-EC20  [LED-SK9822-EC20]  127.58 63.34 41.2 top
D220  SK9822-EC20  [LED-SK9822-EC20]  125 65.99 48.6 top
D221  SK9822-EC20  [LED-SK9822-EC20]  119 70.69 56.7 top
D222  SK9822-EC20  [LED-SK9822-EC20]  115.83 72.82 52.9 top
D223  SK9822-EC20  [LED-SK9822-EC20]  112.71 75 43.8 top
D224  SK9822-EC20  [LED-SK9822-EC20]  109.98 77.65 26.7 top
D225  SK9822-EC20  [LED-SK9822-EC20]  109.07 81.36 2.1 top
D226  SK9822-EC20  [LED-SK9822-EC20]  110.17 85.01 345.5 top
D227  SK9822-EC20  [LED-SK9822-EC20]  111.8 88.46 336.7 top
D228  SK9822-EC20  [LED-SK9822-EC20]  113.47 91.88 333.2 top
D229  SK9822-EC20  [LED-SK9822-EC20]  90.76 67.84 147 top
D230  SK9822-EC20  [LED-SK9822-EC20]  90.08 64.09 223.3 top
D231  SK9822-EC20  [LED-SK9822-EC20]  93.32 62.09 273.5 top
D232  SK9822-EC20  [LED-SK9822-EC20]  96.98 63.16 314 top
D233  SK9822-EC20  [LED-SK9822-EC20]  99.14 66.3 348.9 top
D234  SK9822-EC20  [LED-SK9822-EC20]  99.15 70.11 20 top
D235  SK9822-EC20  [LED-SK9822-EC20]  97.22 73.4 48.4 top
D236  SK9822-EC20  [LED-SK9822-EC20]  93.98 75.4 74.6 top
D237  SK9822-EC20  [LED-SK9822-EC20]  90.18 75.77 99.2 top
D238  SK9822-EC20  [LED-SK9822-EC20]  86.57 74.56 122.3 top
D239  SK9822-EC20  [LED-SK9822-EC20]  83.72 72.03 144.2 top
D240  SK9822-EC20  [LED-SK9822-EC20]  82.01 68.62 165.1 top
D241  SK9822-EC20  [LED-SK9822-EC20]  81.61 64.83 185.1 top
D242  SK9822-EC20  [LED-SK9822-EC20]  82.53 61.13 204.3 top
D243  SK9822-EC20  [LED-SK9822-EC20]  84.61 57.94 222.8 top
D244  SK9822-EC20  [LED-SK9822-EC20]  87.59 55.56 240.7 top
D245  SK9822-EC20  [LED-SK9822-EC20]  91.15 54.21 258 top
D246  SK9822-EC20  [LED-SK9822-EC20]  94.96 53.97 274.8 top
D247  SK9822-EC20  [LED-SK9822-EC20]  98.67 54.84 291.1 top
D248  SK9822-EC20  [LED-SK9822-EC20]  101.99 56.71 307 top
D249  SK9822-EC20  [LED-SK9822-EC20]  104.67 59.41 322.5 top
D250  SK9822-EC20  [LED-SK9822-EC20]  106.54 62.73 337.6 top
D251  SK9822-EC20  [LED-SK9822-EC20]  107.49 66.43 352.3 top
D252  SK9822-EC20  [LED-SK9822-EC20]  107.46 70.24 6.8 top
D253  SK9822-EC20  [LED-SK9822-EC20]  106.49 73.92 20.9 top
D254  SK9822-EC20  [LED-SK9822-EC20]  104.66 77.26 34.7 top
D255  SK9822-EC20  [LED-SK9822-EC20]  102.08 80.07 48.3 top
D256  SK9822-EC20  [LED-SK9822-EC20]  98.91 82.19 61.6 top